# Altium PCB PCB_Right.PcbDoc (part 1 of 2) (continued)
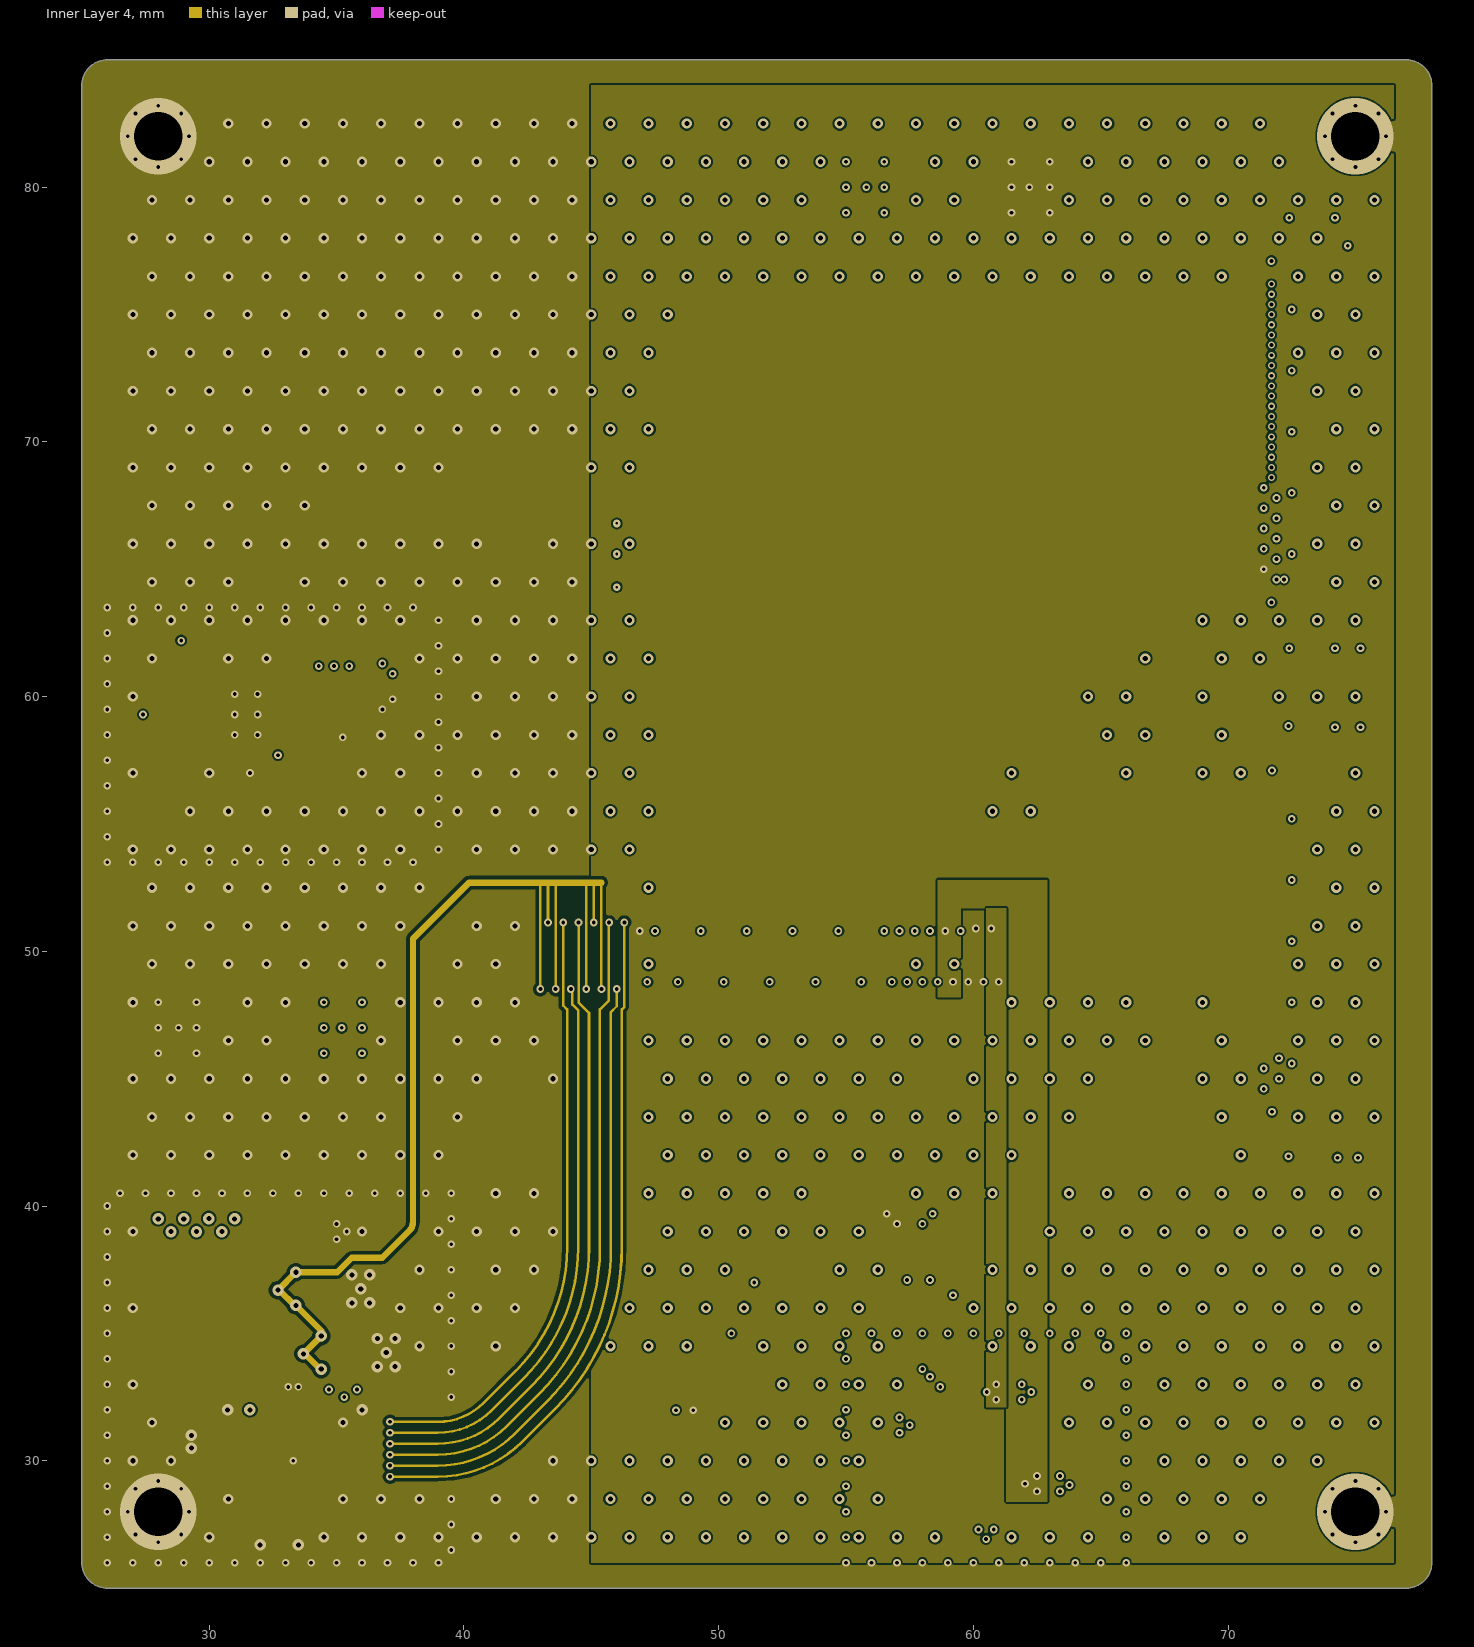
[diagram p5: Inner Layer 4]
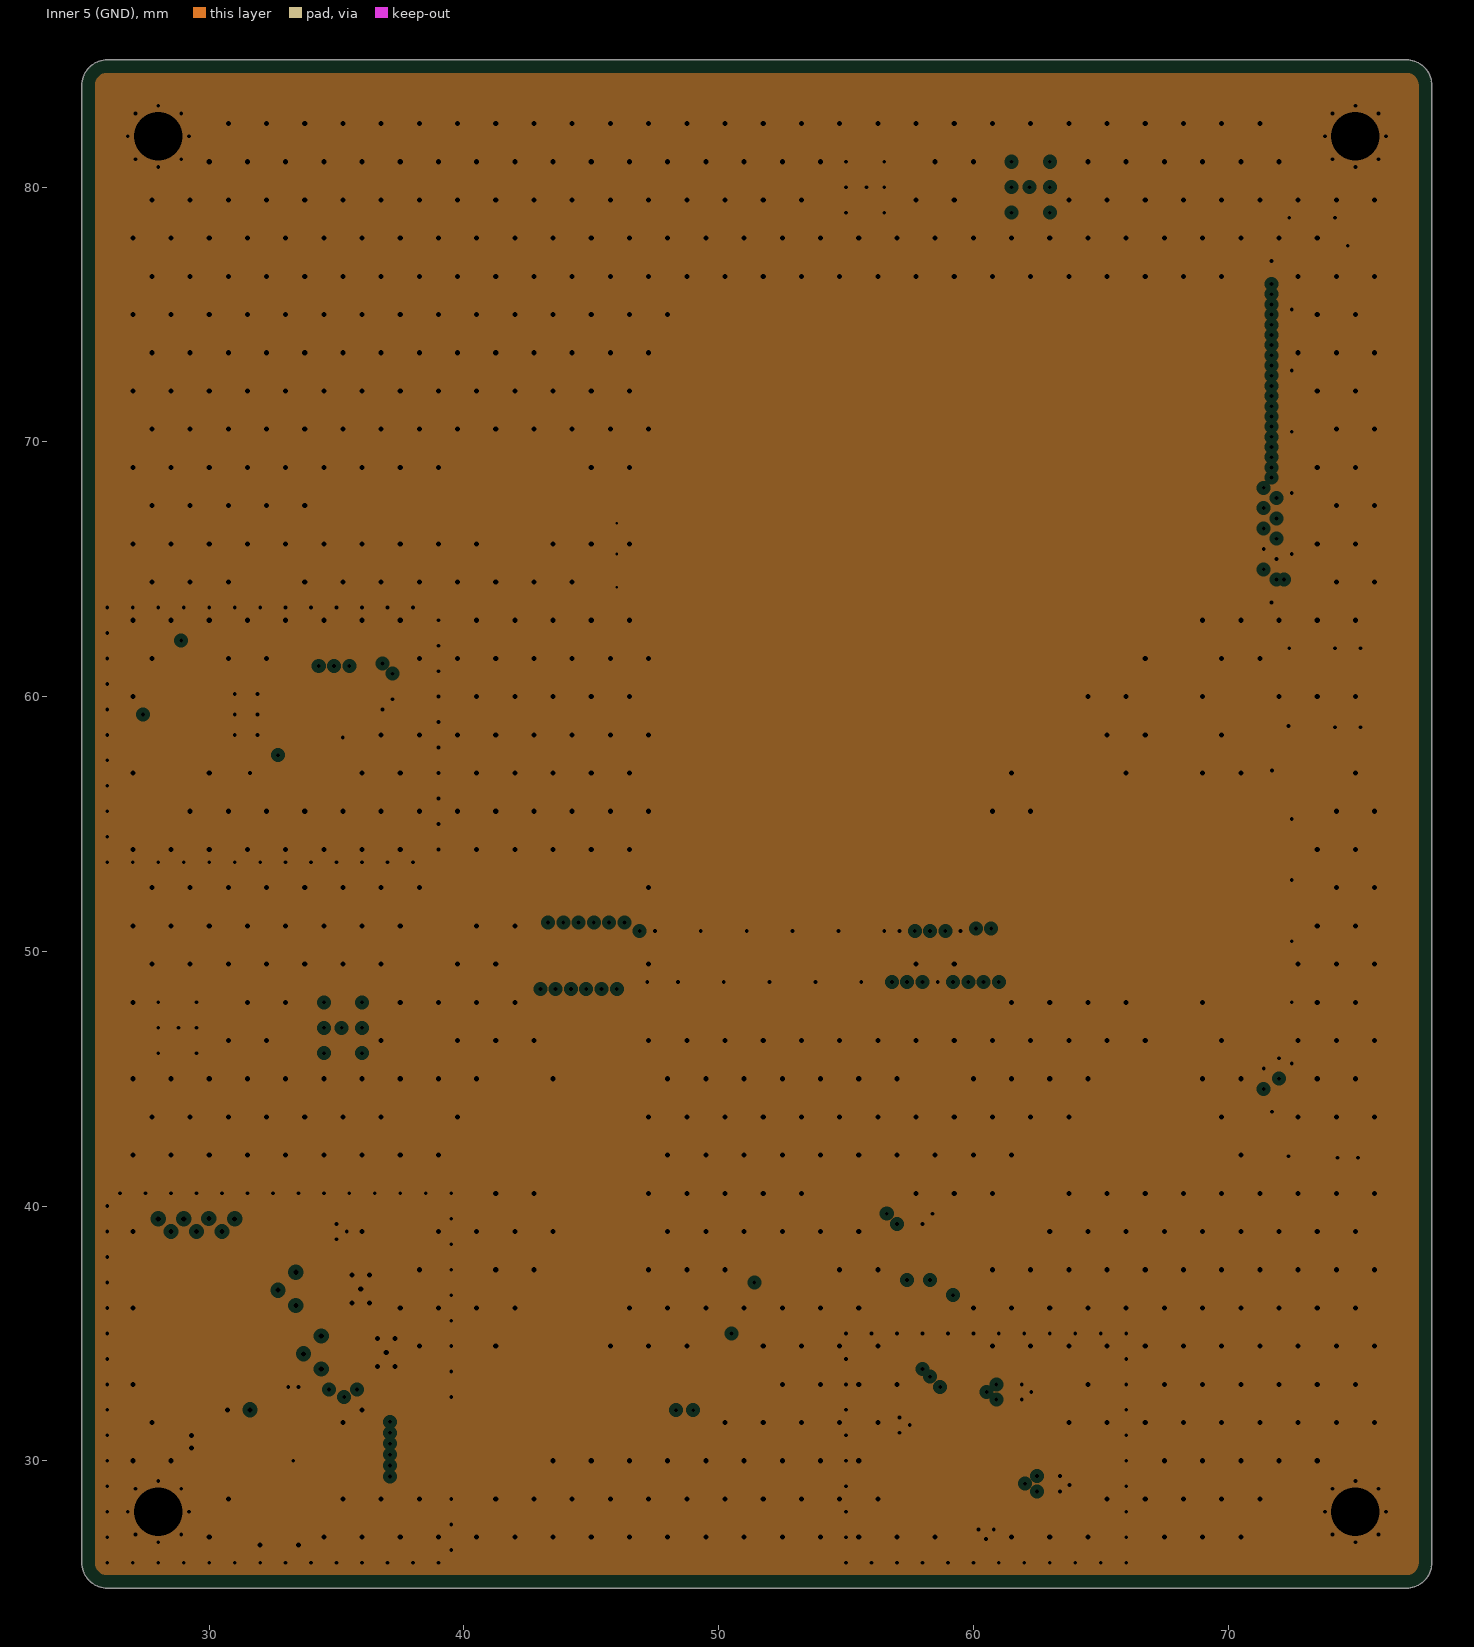
[diagram p6: Inner 5 (GND), clearances drawn from the general rule]
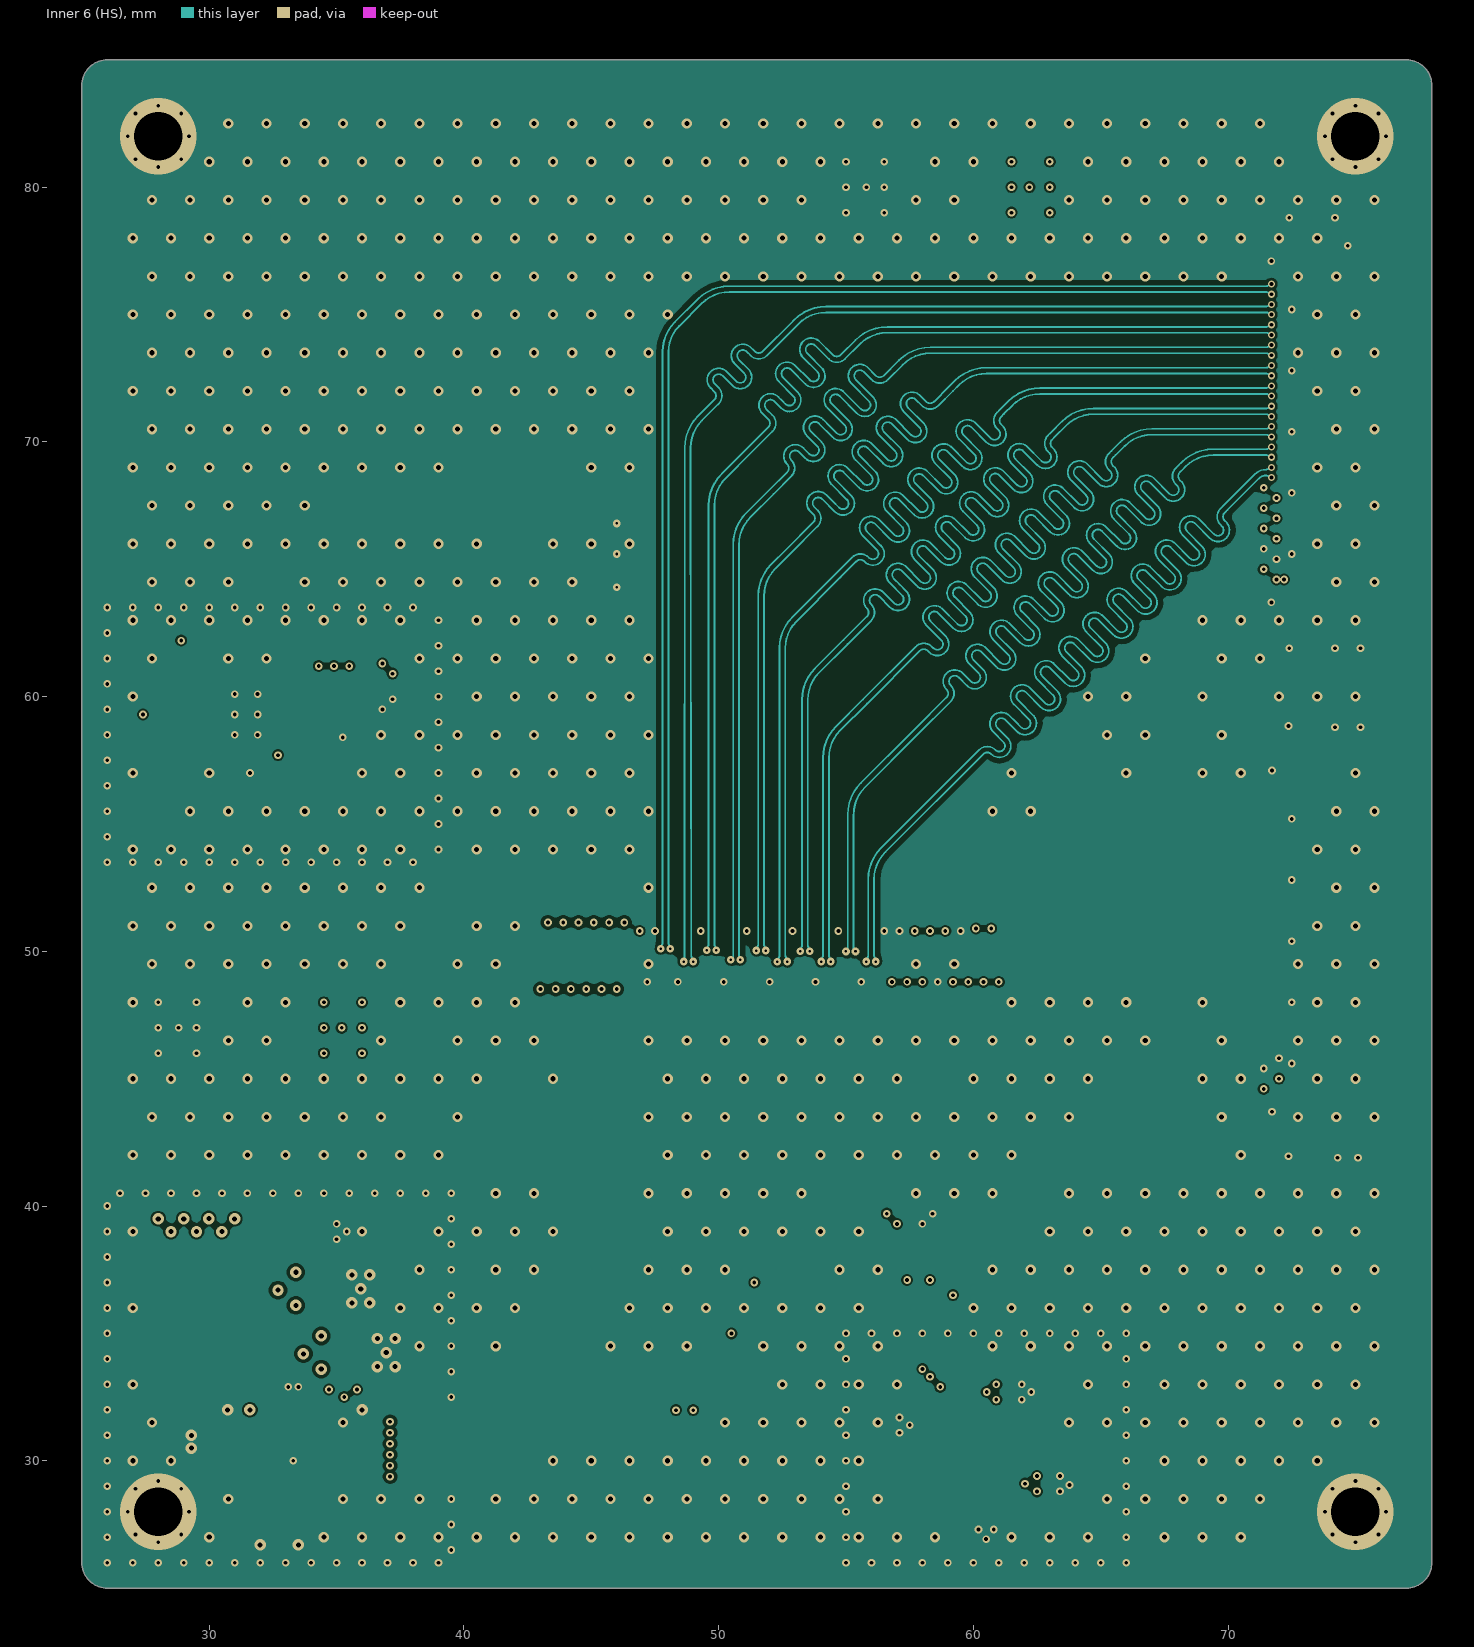
[diagram p7: Inner 6 (HS)]
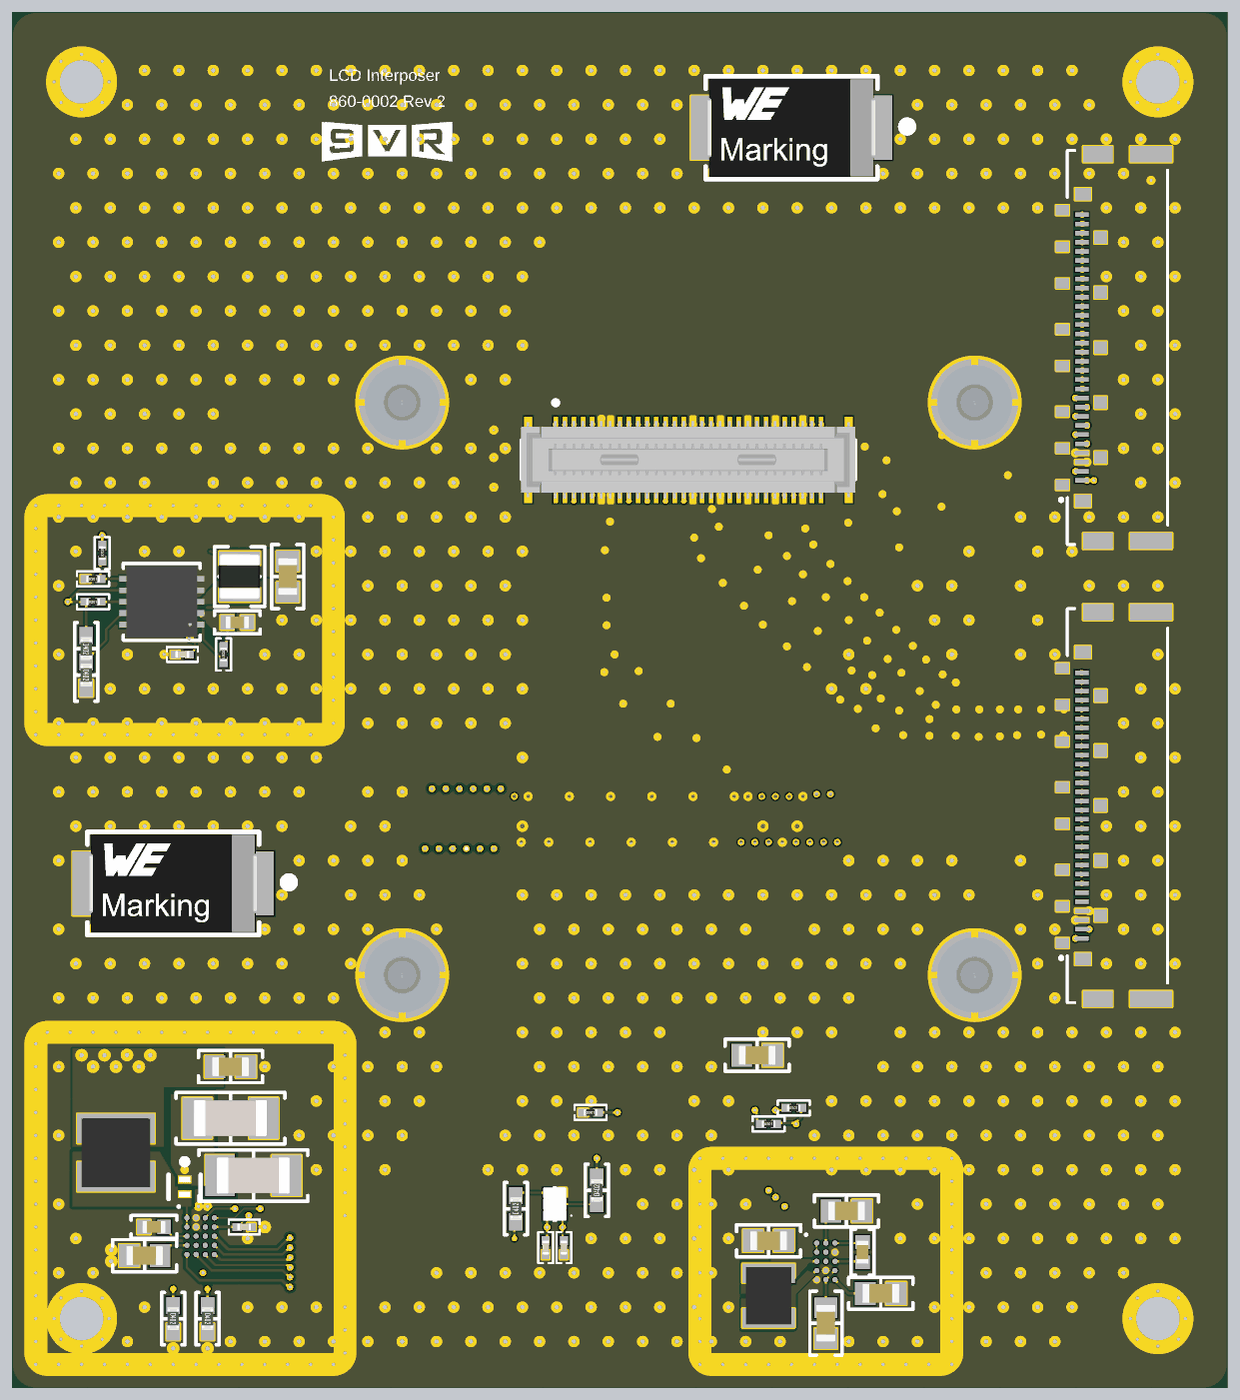
[diagram p9: 3D render of the assembled board from above, using the file's embedded part models]

## Layer stack, top to bottom
Top Solder: solder mask 0.015, WE-SM-0001, Dk 3.5
Top Side: signal copper 0.03
Dielectric 1: prepreg 0.086, PP-008, Dk 4.1
Inner 1 (HS): signal copper 0.018
Core 1: core 0.127, PP-016, Dk 4.2
Inner 2 (GND): plane copper 0.0175, net GND
Dielectric 2: prepreg 0.12, PP-016, Dk 4.6
Inner Layer 3: signal copper 0.0175
Core 2: core 0.08, PP-016, Dk 4.6
Inner Layer 4: signal copper 0.0175
Dielectric 3: prepreg 0.12, Core-015, Dk 4.6
Inner 5 (GND): plane copper 0.0175, net GND
Core 3: core 0.127, PP-016, Dk 4.2
Inner 6 (HS): signal copper 0.0175
Dielectric 4: prepreg 0.086, PP-008, Dk 4.1
Bottom Side: signal copper 0.03
Bottom Solder: solder mask 0.015, WE-SM-0001, Dk 3.5

## Board outline
25,26 25,84 cw(c26,84) 26,85 77,85 cw(c77,84) 78,84 78,26 cw(c77,26) 77,25 26,25 cw(c26,26)

## Design rules (kind name [scope] priority, off if disabled: settings)
Clearance Clearance_1 [InNetClass('HV')] p1: gap=0.13 ignorepadtopadclearanceinfootprint=FALSE
Clearance Clearance_3 [InNet('INCK')] p2: gap=0.075 ignorepadtopadclearanceinfootprint=FALSE except(0.3: Arc-Arc Arc-Track Track-Track)
Clearance Clearance_4 [InNetClass('SLVS-EC') vs (Not InNetClass('SLVS-EC'))] p3: gap=0.075 ignorepadtopadclearanceinfootprint=FALSE except(0.2: Arc-Fill Arc-Poly Arc-Region Track-Fill Track-Poly Track-Region)
Clearance Clearance_5 [InNetClass('50OHM') vs (Not InNetClass('50OHM'))] p4: gap=0.075 ignorepadtopadclearanceinfootprint=FALSE except(0.2: Arc-Fill Arc-Poly Arc-Region Track-Fill Track-Poly Track-Region)
Clearance Clearance_6 [InNetClass('MIPI') vs (Not InNetClass('MIPI'))] p5: gap=0.075 ignorepadtopadclearanceinfootprint=FALSE except(0.2: Arc-Fill Arc-Poly Arc-Region Track-Fill Track-Poly Track-Region)
Clearance Clearance_2 [InNetClass('MIPI')] p6: gap=0.075 ignorepadtopadclearanceinfootprint=FALSE except(0.3: Arc-Arc Arc-Track Track-Track)
Clearance [All] p7: gap=0.075 ignorepadtopadclearanceinfootprint=FALSE
DiffPairsRouting [All] p1: maxlimit=0.16 minlimit=0.16 mostfreqgap=0.16 toplayer_minwidth=0.111 toplayer_maxwidth=0.111 toplayer_prefwidth=0.106 midlayer2_minwidth=0.057 midlayer2_maxwidth=0.057 midlayer2_prefwidth=0.056 midlayer5_minwidth=0.057 midlayer5_maxwidth=0.057 midlayer5_prefwidth=0.056 midlayer6_minwidth=0.07 midlayer6_maxwidth=0.07 midlayer6_prefwidth=0.07 midlayer7_minwidth=0.069 midlayer7_maxwidth=0.069 midlayer7_prefwidth=0.069 bottomlayer_minwidth=0.111 bottomlayer_maxwidth=0.111 bottomlayer_prefwidth=0.106 impedanceprofiledriven=TRUE impedanceprofileid={1041645D-6CA2-4B96-BFB0-DD31A8001BDD} impedanceprofilevalue=100.000000 maxuncoupledlength=12.7
HoleToHoleClearance [All] p1: gap=0.2 allowstackedmicrovias=TRUE
MatchedLengths [InNetClass('MIPI')] p1: tolerance=25.4 checknetsindiffpair=FALSE checkdiffpairvsdiffpair=TRUE checkxsignals=TRUE checkothers=TRUE usedelayunits=TRUE delaytolerance=10.000000 targetsourcename="Not defined"
MatchedLengths MatchedLengths_1 [InxSignalClass('xSignals_J3_J2')] p2: tolerance=25 checknetsindiffpair=FALSE checkdiffpairvsdiffpair=TRUE checkxsignals=TRUE checkothers=TRUE usedelayunits=TRUE delaytolerance=10.000000 targetsourcename=D0_2_N_PP1
MatchedLengths MatchedLengths_2 [InxSignalClass('All xSignals')] p3: tolerance=25.4 checknetsindiffpair=TRUE checkdiffpairvsdiffpair=FALSE checkxsignals=FALSE checkothers=FALSE usedelayunits=TRUE delaytolerance=2.000000 targetsourcename="Not defined"
MinimumSolderMaskSliver [All] p1: minsoldermaskwidth=0.075
ParallelSegment [All] p1: limit=5 gap=0.2
PlaneClearance [All] p1: clearance=0.2
PlaneConnect [All] p1: planeconnectstyle=Direct reliefexpansion=0.508 reliefentries=4 reliefconductorwidth=0.254 reliefairgap=0.254
PolygonConnect [All] p1: connectstyle=Direct reliefconductorwidth=0.254 reliefentries=4 polygonreliefangle="90 Angle" airgapwidth=0.254
RoutingVias RoutingVias_1 [IsMicroVia] p1: holewidth=0.1 width=0.3 viastyle="Through Hole" minholewidth=0.1 minwidth=0.2 maxholewidth=0.1 maxwidth=0.35
RoutingVias [All] p2: holewidth=0.2 width=0.5 viastyle="Through Hole" minholewidth=0.1 minwidth=0.2 maxholewidth=5 maxwidth=6
SolderMaskExpansion [All] p1: expansion=0.05 istentingtop=FALSE
Width Width_1 [InNet('INCK')] p1: maxlimit=0.142 minlimit=0.065 preferedwidth=0.08 toplayer_minwidth=0.142 toplayer_prefwidth=0.142 midlayer2_maxwidth=0.065 midlayer2_prefwidth=0.065 midlayer5_maxwidth=0.065 midlayer5_prefwidth=0.065 midlayer6_minwidth=0.08 midlayer6_maxwidth=0.08 midlayer7_minwidth=0.079 midlayer7_maxwidth=0.079 midlayer7_prefwidth=0.079 bottomlayer_minwidth=0.142 bottomlayer_prefwidth=0.142 impedanceprofiledriven=TRUE impedanceprofileid={9CC3D39D-9BBF-42C0-AD05-CF1E9E2C0FA0} impedanceprofilevalue=50.000000 minimp=50.000000 maximp=50.000000 favimp=50.000000
Width [All] p2: maxlimit=1 minlimit=0.075 preferedwidth=0.1
25 further rules are at their usual default settings.

## Classes and differential pairs
component class CameraSupplies: C17 C18 C19 L3 R6 R7 R8 R9 R10 R11 U3
differential pair class SLVS-EC: CAM_D0 CAM_D1
net class SLVS-EC: CAM_D0_N CAM_D0_P CAM_D1_N CAM_D1_P
net class 50OHM: INCK
net class HV: LED1 LED2 LED3 LED4 LED5 LED6 LED+ NetD1_2
differential pair class MIPI: D0_0 D0_1 D0_2 D0_3 D0_C D1_0 D1_1 D1_2 D1_3 D1_C
net class MIPI: D0_0_N D0_0_P D0_1_N D0_1_P D0_2_N D0_2_P D0_3_N D0_3_P D0_C_N D0_C_P D1_0_N D1_0_P D1_1_N D1_1_P D1_2_N D1_2_P D1_3_N D1_3_P D1_C_N D1_C_P
component class MainboardConn: C12 C13 J3 J4 R12 R13
component class DisplaySupplies: C2 C3 C4 C5 C6 C7 C8 C9 C10 C11 C14 C15 C16 D1 IC1 L1 L2 R2 R3 R4 R5 U1 U2
component class DisplayConn: C1 J2 R1
component class CameraConn: J1 MP1 MP2 MP3 MP4
differential pair CAM_D1: +CAM_D1_P -CAM_D1_N
differential pair CAM_D0: +CAM_D0_P -CAM_D0_N
differential pair D1_C: +D1_C_P -D1_C_N
differential pair D1_3: +D1_3_P -D1_3_N
differential pair D1_2: +D1_2_P -D1_2_N
differential pair D1_1: +D1_1_P -D1_1_N
differential pair D1_0: +D1_0_P -D1_0_N
differential pair D0_C: +D0_C_P -D0_C_N
differential pair D0_3: +D0_3_P -D0_3_N
differential pair D0_2: +D0_2_P -D0_2_N
differential pair D0_1: +D0_1_P -D0_1_N
differential pair D0_0: +D0_0_P -D0_0_N

## Components (designator, comment, footprint, x,y, rotation, side; value= is the part's Value field where it differs from the comment)
C1 "10 µF" "CAP 0603_1608" 57.5,39.5 r180 top
C2 "10 µF" "CAP 0603_1608" 58,31.4 r0 top
C3 "0.1 µF" "CAP 0201_0603" 35.1,32 r180 top
C4 "10 µF" "CAP 0603_1608" 62.9,29.1 r180 top
C5 "10 µF" "CAP 0603_1608" 60.5,27.8 r90 top
C6 "2.2 µF" "CAP 0402_1005" 62.1,30.9 r270 top
C7 "10 µF" "CAP 0603_1608" 61.4,32.7 r180 top
C8 "10 µF" "CAP 0603_1608" 34.5,39 r180 top
C9 "4.7 µF" "CAP 1206_3216 - 0.8MM" 34.5,36.75 r180 top
C10 "4.7 µF" "CAP 1206_3216 - 0.8MM" 35.5,34.25 r180 top
C11 "10 µF" "CAP 0603_1608" 30.75,30.75 r0 top
C12 "220uF" WCAP-PHGP_L7.3W4.3H1.9 59,80 r0 top
C13 "220uF" WCAP-PHGP_L7.3W4.3H1.9 32,47 r0 top
C14 "1 µF" "CAP 0402_1005" 31.16,32 r0 top
C15 "0.1 µF" "CAP 0201_0603" 48.263,31.1 r90 top
C16 "0.1 µF" "CAP 0201_0603" 49.063,31.1 r90 top
C17 "0.1 µF" "CAP 0201_0603" 32.4,57 r0 top
C18 "2.2 µF" "CAP 0402_1005" 34.8,58.4 r180 top
C19 "47 µF" "CAP 0603_1608" 37,60.4 r90 top
D1 "PMEG6010AESBYL" FP-SOD993-MFG 32.5,33.75 r270 top
IC1 "74AXP1T34GMH" PESD3V3L5UF115 48.663,33 r90 top
J1 "DF40B-60DS-0.4V(51)" HRS_DF40B-60DS-0.4V(51) 54.5,65.5 r180 top
J2 "504754-6120" 5047546120 52,50 r180 bottom
J3 "20682-030E-02" IPEX_20682-030E-02 71.675,70.4 r90 top
J4 "20682-030E-02" IPEX_20682-030E-02 71.675,50.4 r90 top
L1 "4.7uH, 0.94A" WE-MAPI_2510 58,29 r270 top
L2 "6.8uH, 1.1A" WE-MAPI_3015 29.5,35.25 r270 top
L3 "2.2 µH" "IND 0806_2016" 34.9,60.4 r270 top
MP1 "M1.6x2.5mm" 97730256330 67,68 r0 top
MP2 "M1.6x2.5mm" 97730256330 42,68 r0 top
MP3 "M1.6x2.5mm" 97730256330 67,43 r0 top
MP4 "M1.6x2.5mm" 97730256330 42,43 r0 top
R1 "2.7 kOhms" "RES 0201_0603" 50.225,37 r0 top
R2 "0 Ohms" "RES 0402_1005" 33.5,28 r270 top
R3 "24.3 kOhms" "RES 0402_1005" 32,28 r270 top
R4 "0 Ohms" "RES 0402_1005" 46.963,32.8 r90 top
R5 "0 Ohms" "RES 0402_1005" 50.5,33.6 r90 top
R6 "10 kOhms" "RES 0201_0603" 28.5,59.3 r0 top
R7 "10 Ohms" "RES 0201_0603" 34.2,57 r270 top
R8 "16.5 kOhms" "RES 0201_0603" 28.5,60.3 r0 top
R9 "13.7 kOhms" "RES 0201_0603" 28.9,61.425 r270 top
R10 "DNI" "RES 0402_1005" 28.2,57.25 r270 top
R11 "0 Ohms" "RES 0402_1005" 28.2,56.1 r270 top
R12 "2.7 kOhms" "RES 0201_0603" 58,36.5 r0 top
R13 "2.7 kOhms" "RES 0201_0603" 59.1,37.2 r0 top
U1 "TPS65132AYFFR" BGA15C40P3X5_151X211X62 60.5,30.5 r0 top
U2 "LP8556TME-E09/NOPB" BGA20C40P4X5_171X237X68 33.2,31.6 r0 top
U3 "ADP2120ACPZ-R7" CP_10_9_ADI 31.5,59.3 r180 top

## Footprints (in the part's own frame and the unit in brackets; to place one, negate y for a bottom-side part, rotate by r counter-clockwise, add the part's x,y. Pads: shape width x height; smd on the part's side, far side on the other; paste and mask are expansions set on the pad)
5047546120 [mm]
  rect 0.22x0.54 smd: 1(-9,-1.48) 3(-8.4,-1.48) 5(-7.8,-1.48) 7(-7.2,-1.48) 9(-6.6,-1.48) 11(-6,-1.48) 13(-5.4,-1.48) 15(-4.8,-1.48) 17(-4.2,-1.48) 19(-3.6,-1.48) 21(-3,-1.48) 23(-2.4,-1.48) 25(-1.8,-1.48) 27(-1.2,-1.48) 29(-0.6,-1.48) 31(0,-1.48) 33(0.6,-1.48) 35(1.2,-1.48) 37(1.8,-1.48) 39(2.4,-1.48) 41(3,-1.48) 43(3.6,-1.48) 45(4.2,-1.48) 47(4.8,-1.48) 49(5.4,-1.48) 51(6,-1.48) 53(6.6,-1.48) 55(7.2,-1.48) 57(7.8,-1.48) 59(8.4,-1.48) 61(9,-1.48)
  rect 0.22x0.53 smd: 2(-8.7,1.135) 4(-8.1,1.135) 6(-7.5,1.135) 8(-6.9,1.135) 10(-6.3,1.135) 12(-5.7,1.135) 14(-5.1,1.135) 16(-4.5,1.135) 18(-3.9,1.135) 20(-3.3,1.135) 22(-2.7,1.135) 24(-2.1,1.135) 26(-1.5,1.135) 28(-0.9,1.135) 30(-0.3,1.135) 32(0.3,1.135) 34(0.9,1.135) 36(1.5,1.135) 38(2.1,1.135) 40(2.7,1.135) 42(3.3,1.135) 44(3.9,1.135) 46(4.5,1.135) 48(5.1,1.135) 50(5.7,1.135) 52(6.3,1.135) 54(6.9,1.135) 56(7.5,1.135) 58(8.1,1.135) 60(8.7,1.135)
  silkscreen extent -9.9,-2.3 9.9,1.65, body extent -9.9,-1.73 9.9,1.65, height 1.77
97730256330 [mm] "SMT Steel Spacer with internal Thread M1.6 Bottom closed, height 2.5mm"
  round 4 smd paste-2539.97: 1(0,0)
  body extent -1.65,-1.65 1.65,1.65, height 2.5
BGA15C40P3X5_151X211X62 [mm] "BGA, 15-Leads, Body 1.51x2.11mmx0.63mm, Pitch 0.40mm"
  round 0.23 smd mask+0.05: A1(-0.4,0.8) A2(0,0.8) A3(0.4,0.8) B1(-0.4,0.4) B2(0,0.4) B3(0.4,0.4) C1(-0.4,0) C2(0,0) C3(0.4,0) D1(-0.4,-0.4) D2(0,-0.4) D3(0.4,-0.4) E1(-0.4,-0.8) E2(0,-0.8) E3(0.4,-0.8)
  silkscreen extent -0.91,1.11 -0.81,1.21, body extent -0.75,-1.05 0.75,1.06, height 0.63
BGA20C40P4X5_171X237X68 [mm] "BGA, 20-Leads, Body 1.71x2.37mmx0.68mm, Pitch 0.40mm"
  round 0.23 smd mask+0.05: A1(-0.6,0.8) A2(-0.2,0.8) A3(0.2,0.8) A4(0.6,0.8) B1(-0.6,0.4) B2(-0.2,0.4) B3(0.2,0.4) B4(0.6,0.4) C1(-0.6,0) C2(-0.2,0) C3(0.2,0) C4(0.6,0) D1(-0.6,-0.4) D2(-0.2,-0.4) D3(0.2,-0.4) D4(0.6,-0.4) E1(-0.6,-0.8) E2(-0.2,-0.8) E3(0.2,-0.8) E4(0.6,-0.8)
  silkscreen extent -1.01,1.24 -0.91,1.34, body extent -0.85,-1.18 0.85,1.19, height 0.68
"CAP 0201_0603" [mm] "Chip Capacitor, 2-Leads, Body 0.60x0.30mm, IPC Medium Density"
  rect 0.4x0.35 smd: 1(-0.31,0) 2(0.31,0)
  silkscreen extent -0.67,-0.33 0.67,0.33, body extent -0.3,-0.15 0.3,0.15, height 0.3
"CAP 0402_1005" [mm] "Chip Capacitor, 2-Leads, Body 1.02x0.51mm, IPC Medium Density"
  rect 0.6x0.64 smd: 1(-0.44,0) 2(0.44,0)
  silkscreen extent -1,-0.5 1,0.5, body extent -0.5,-0.26 0.5,0.26, height 0.52
"CAP 0603_1608" [mm] "Chip Capacitor, 2-Leads, Body 1.60x0.80mm, IPC Medium Density"
  rect 0.9x1 smd: 1(-0.675,0) 2(0.675,0)
  silkscreen extent -1.4,-0.7 1.4,0.7, body extent -0.8,-0.41 0.8,0.41, height 0.82
"CAP 1206_3216 - 0.8MM" [mm] "Chip Capacitor, 2-Leads, Body 3.25x1.60mm, IPC Medium Density"
  rect 1.3x1.8 smd: 1(-1.45,0) 2(1.45,0)
  silkscreen extent -2.37,-1.12 2.37,1.12, body extent -1.6,-0.8 1.6,0.8, height 0.8
CP_10_9_ADI [mm]
  rect 0.808x0.255 smd paste+0 mask+0: 1(-1.445,1) 2(-1.445,0.5) 3(-1.445,0) 4(-1.445,-0.5) 5(-1.445,-1) 6(1.445,-1) 7(1.445,-0.5) 8(1.445,0) 9(1.445,0.5) 10(1.445,1)
  rect 1.753x2.489 smd paste+0 mask+0: 11(0,0)